# Altium PCB MiniPC.PcbDoc (part 14 of 22) (continued)
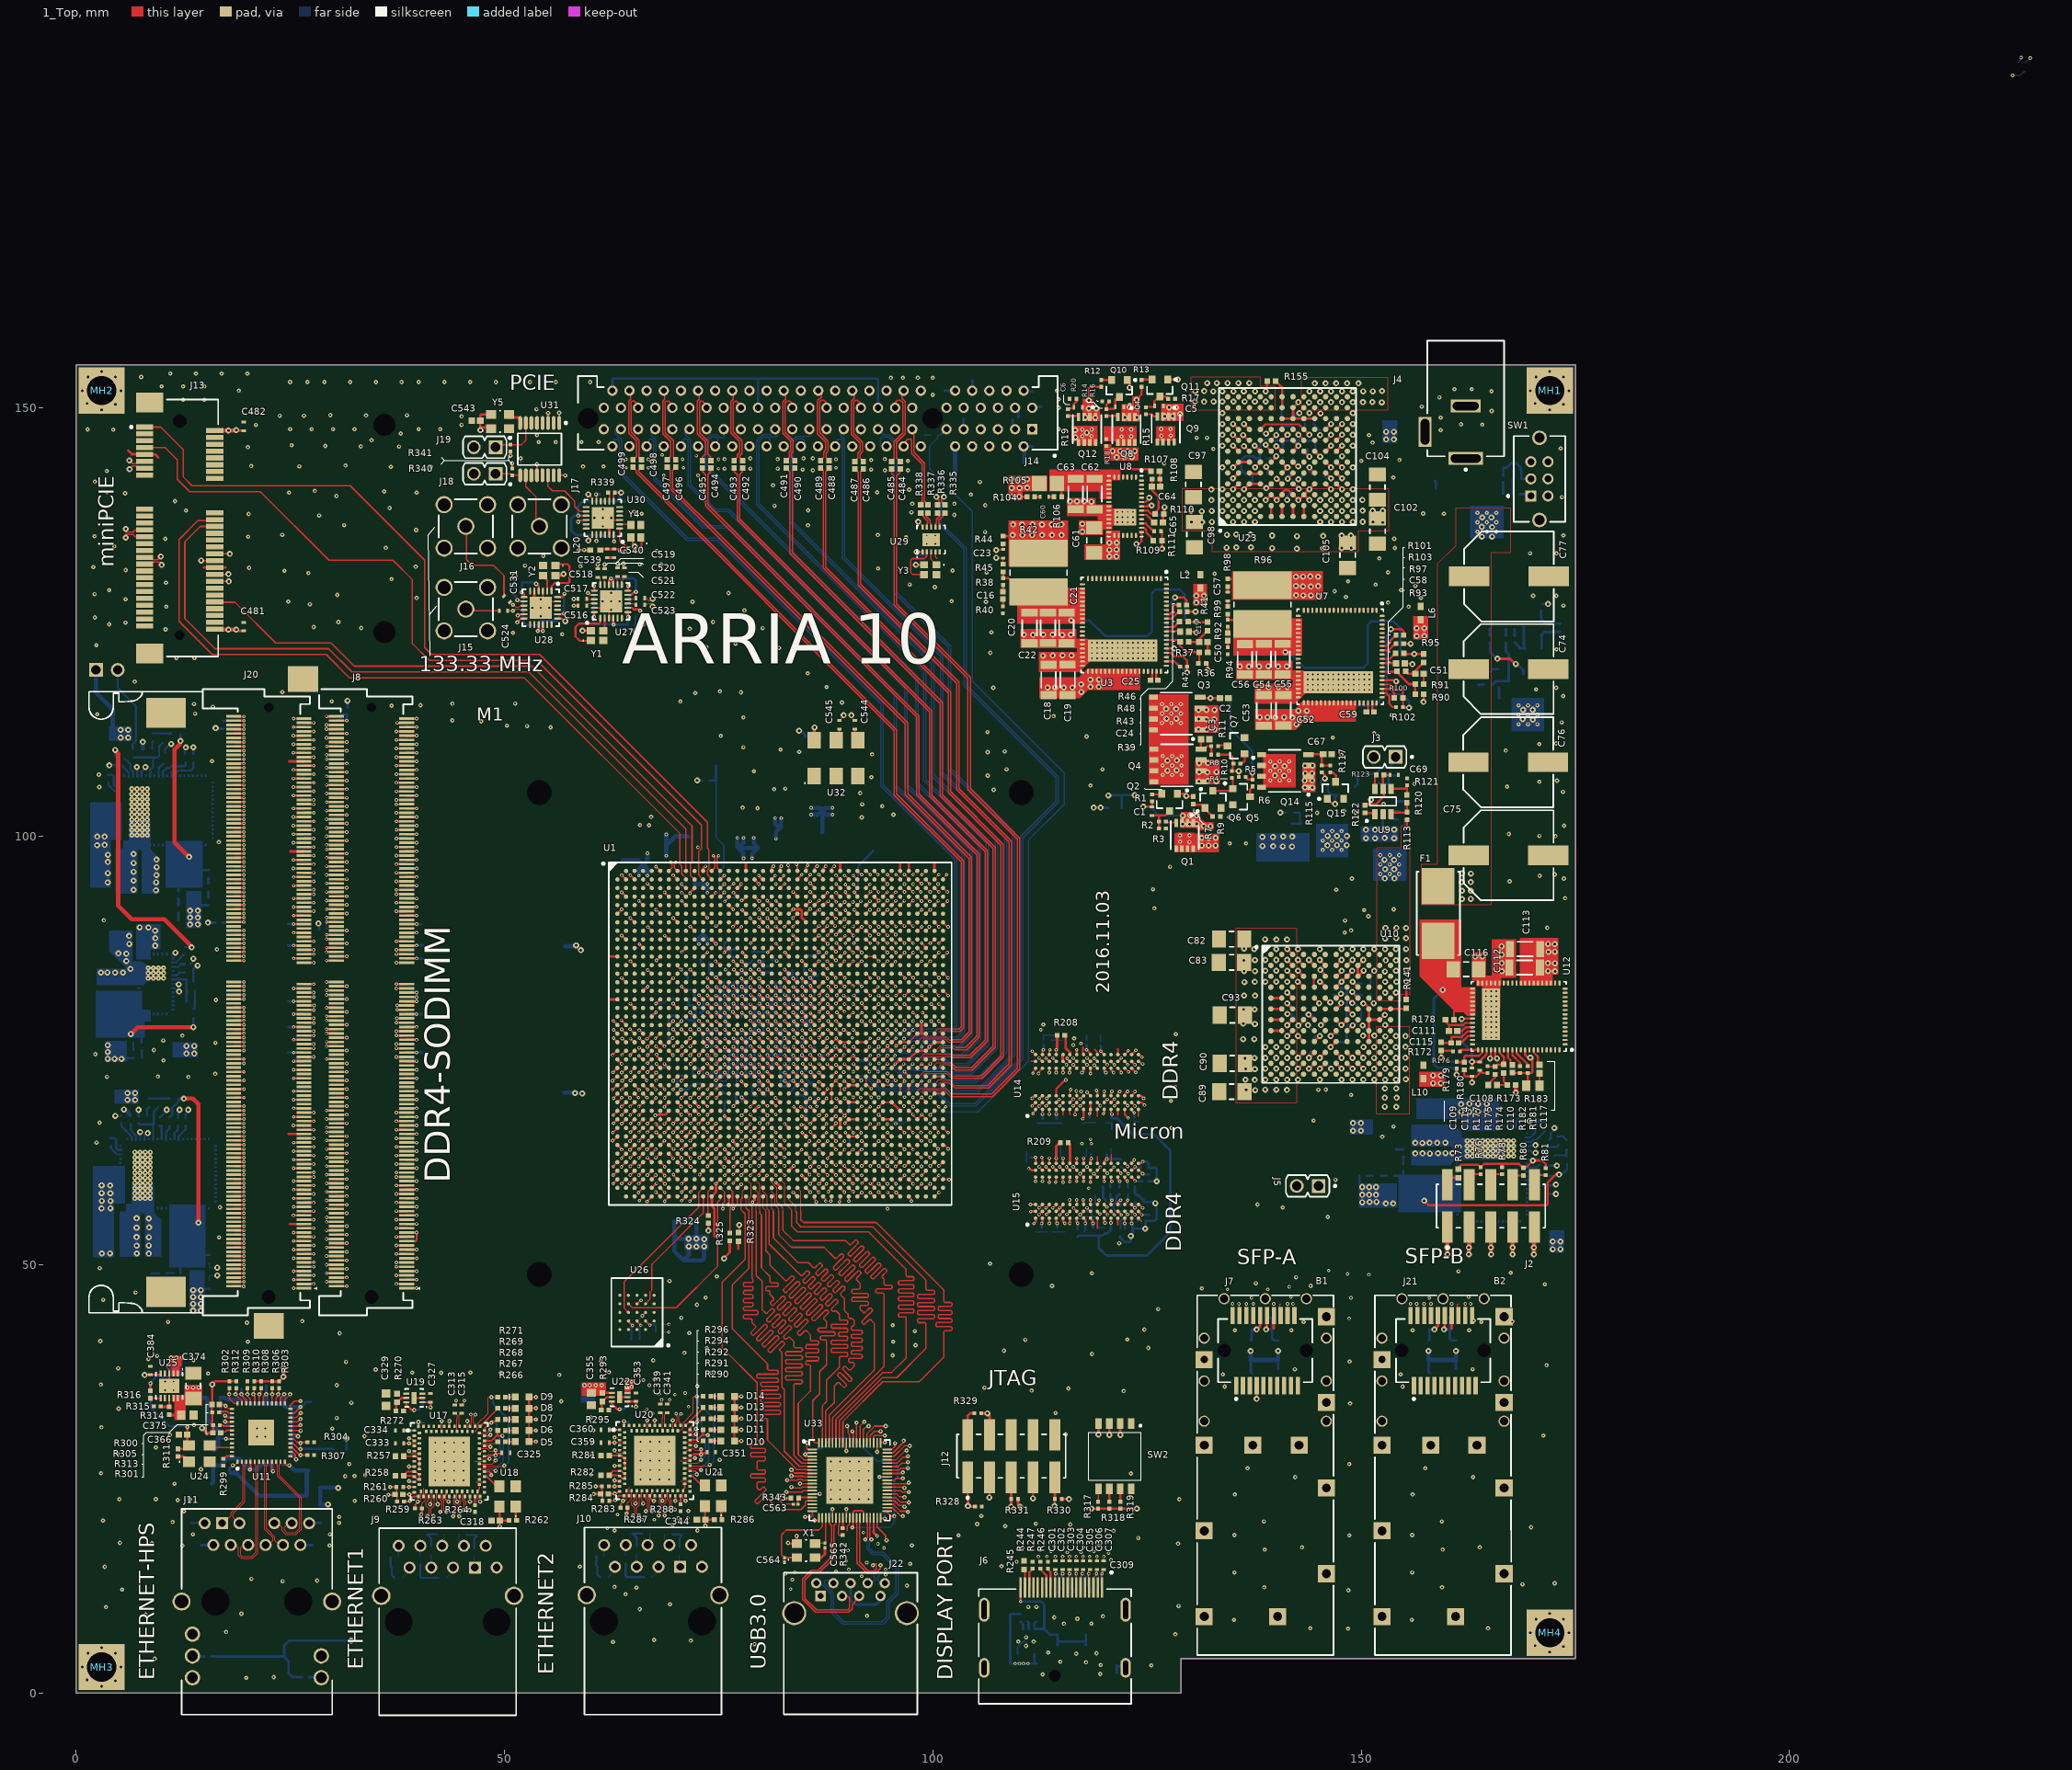
[diagram p0: 1_Top view]
## Nets (pads, with @x,y where several pads share a name; then routed paths per layer and width w, separated by ;. In a path a pad name is that pad's centre, name@x,y a point inside that pad or via, vN(x,y) a via of type N, cw(c..) or ccw(c..) an arc to the next point about the centre after c; other vN are vias at no path point) (continued)
  12_int11_(sign) w0.13: v1(19.602,109.475) 19.727,109.35 21.5,109.35 22,108.85 28.136,108.85 28.636,109.35 29.125,109.35 v1(29.25,109.475)
DDR4_SODIMM_ODT0: J8.155 U1.AK12 | length 78.5
  1_Top w0.25: v1(37.398,87.725) J8.155@38.6,87.725 ; v1(73.725,66.47) U1.AK12@74.194,66.939
  10_int9_(sign) w0.15: v1(37.398,87.725) 39.95,87.725 40.55,88.325 40.55,89.625 41.26,90.335 41.26,93.81 41.86,94.41 42.375,94.41 42.525,94.56 42.525,95.547 42.675,95.697 42.975,95.697 43.125,95.547 43.125,94.56 43.275,94.41 43.575,94.41 43.725,94.56 43.725,95.547 43.875,95.697 44.175,95.697 44.325,95.547 44.325,94.56 44.475,94.41 44.775,94.41 44.925,94.56 44.925,95.547 45.075,95.697 45.375,95.697 45.525,95.547 45.525,94.56 45.675,94.41 45.975,94.41 46.125,94.56 46.125,95.547 46.275,95.697 46.575,95.697 46.725,95.547 46.725,94.56 46.875,94.41 47.175,94.41 47.325,94.56 47.325,95.547 47.475,95.697 47.775,95.697 47.925,95.547 47.925,94.56 48.075,94.41 48.375,94.41 48.525,94.56 48.525,95.547 48.675,95.697 48.975,95.697 49.125,95.547 49.125,94.56 49.275,94.41 49.575,94.41 49.725,94.56 49.725,95.547 49.875,95.697 50.175,95.697 50.325,95.547 50.325,94.56 50.475,94.41 50.775,94.41 50.925,94.56 50.925,95.547 51.028,95.65 51.422,95.65 51.525,95.547 51.525,94.56 51.675,94.41 52.99,94.41 59.425,87.975 59.85,87.975 63.275,84.55 64.07,84.55 66.57,82.05 66.625,82.05 70.28,78.395 70.28,78.245 70.499,78.025 70.63,78.025 71.319,77.336 71.319,77.284 71.539,77.064 71.611,77.064 73.3,75.375 73.3,75.295 73.52,75.075 73.6,75.075 74.054,74.621 74.054,70.631 74.08,70.605 74.08,70.295 74.079,70.294 74.079,67.294 73.725,66.94 v1(73.725,66.47)
DDR4_SODIMM_ODT1: J20.155 U1.AR12 | length 90.5
  1_Top w0.25: J20.155@26.6,87.725 v1(27.75,87.725) ; v1(73.694,61.439) U1.AR12@74.194,61.939
  10_int9_(sign) w0.15: v1(27.75,87.725) 28.575,87.725 28.825,87.475 30.7,87.475 31.125,87.05 34.5,87.05 34.725,87.275 34.975,87.275 35.2,87.05 36.45,87.05 36.55,87.15 38.7,87.15 39,86.85 39.975,86.85 41.06,87.935 41.06,89.31 41.77,90.02 41.77,92.855 42.34,93.425 42.725,93.425 43.15,93 43.15,92.754 43.3,92.604 43.6,92.604 43.75,92.754 43.75,93.831 43.9,93.981 44.2,93.981 44.35,93.831 44.35,92.754 44.5,92.604 44.8,92.604 44.95,92.754 44.95,93.831 45.1,93.981 45.4,93.981 45.55,93.831 45.55,92.754 45.7,92.604 46,92.604 46.15,92.754 46.15,93.831 46.3,93.981 46.6,93.981 46.75,93.831 46.75,92.754 46.9,92.604 47.2,92.604 47.35,92.754 47.35,93.831 47.5,93.981 47.8,93.981 47.95,93.831 47.95,92.754 48.1,92.604 48.4,92.604 48.55,92.754 48.55,93.831 48.7,93.981 49,93.981 49.15,93.831 49.15,92.754 49.3,92.604 49.6,92.604 49.75,92.754 49.75,93.831 49.9,93.981 50.2,93.981 50.35,93.831 50.35,92.754 50.5,92.604 50.8,92.604 50.95,92.754 50.95,93 51.1,93.15 53.501,93.15 59.612,87.039 59.722,87.039 60.722,86.039 60.761,86.039 62.76,84.04 63.624,84.04 64.069,83.595 64.069,83.534 67.789,79.814 67.849,79.814 68.069,79.595 68.069,79.506 69.65,77.925 69.739,77.925 70.069,77.595 70.069,77.505 71.524,76.05 71.625,76.05 73.304,74.371 73.304,74.298 73.325,74.277 73.325,73.63 73.304,73.609 73.304,73.298 73.575,73.027 73.575,72.73 73.304,72.459 73.304,72.148 73.325,72.127 73.325,72.025 73.575,71.775 73.575,71.375 73.325,71.125 73.325,70.601 73.319,70.595 73.319,70.284 73.329,70.274 73.329,69.298 73.575,69.052 73.575,68.855 73.329,68.609 73.329,68.296 73.55,68.075 73.55,67.83 73.325,67.605 73.325,66.225 73.5,66.05 73.5,65.797 73.308,65.605 73.308,62.292 73.694,61.906 v1(73.694,61.439)
DDR4_SODIMM_PARITY: J8.143 J20.143 U1.AP9 | length 88.4
  1_Top w0.25: J20.143@26.6,82.725 v1(27.75,82.725) ; v1(37.398,82.725) J8.143@38.6,82.725 ; U1.AP9@71.194,62.939 v1(71.725,62.408)
  7_int6_(sign) w0.15: v1(27.75,82.725) 28.45,83.425 32.375,83.425 33.075,82.725 34.875,82.725 35.025,82.875 35.025,83 35.175,83.15 35.475,83.15 35.625,83 35.625,82.375 35.775,82.225 36.075,82.225 36.225,82.375 36.225,82.575 36.375,82.725 v1(37.398,82.725)
  10_int9_(sign) w0.15: v1(37.398,82.725) 40.2,82.725 40.55,83.075 43.475,83.075 43.625,83.225 43.625,83.912 43.775,84.062 44.075,84.062 44.225,83.912 44.225,82.678 44.375,82.528 44.675,82.528 44.825,82.678 44.825,83.912 44.975,84.062 45.275,84.062 45.425,83.912 45.425,82.678 45.575,82.528 45.875,82.528 46.025,82.678 46.025,83.912 46.175,84.062 46.475,84.062 46.625,83.912 46.625,82.678 46.775,82.528 47.075,82.528 47.225,82.678 47.225,83.912 47.375,84.062 47.675,84.062 47.825,83.912 47.825,82.538 47.975,82.388 48.275,82.388 48.425,82.538 48.425,83.912 48.575,84.062 48.875,84.062 49.025,83.912 49.025,83.225 49.175,83.075 49.475,83.075 49.625,83.225 49.625,83.912 49.775,84.062 50.075,84.062 50.225,83.912 50.225,83.067 50.375,82.917 50.675,82.917 50.825,83.067 50.825,83.912 50.975,84.062 51.275,84.062 51.425,83.912 51.425,82.538 51.575,82.388 51.875,82.388 52.025,82.538 52.025,83.912 52.175,84.062 52.475,84.062 52.625,83.912 52.625,82.538 52.775,82.388 53.075,82.388 53.225,82.538 53.225,83.912 53.375,84.062 53.675,84.062 53.825,83.912 53.825,82.538 53.975,82.388 54.275,82.388 54.425,82.538 54.425,83.912 54.575,84.062 54.875,84.062 55.025,83.912 55.025,83.225 55.175,83.075 55.775,83.075 57.725,81.125 61.525,81.125 63.775,78.875 63.805,78.875 65.025,77.655 65.025,77.52 65.57,76.975 65.73,76.975 66.275,76.43 66.275,76.195 66.495,75.975 66.655,75.975 67.325,75.305 67.325,75.295 67.545,75.075 67.737,75.075 69.925,72.887 69.925,72.875 71.069,71.731 71.069,71.284 71.025,71.24 71.025,67.63 71.05,67.605 71.05,65.608 71.052,65.605 71.052,65.295 71.05,65.292 71.05,64.63 71.1,64.58 71.1,64.27 71.052,64.222 71.052,63.081 v1(71.725,62.408)
DDR4_SODIMM_RESET_CONN: J8.108 J20.108 U1.AW10 | length 80.9
  1_Top w0.25: J20.108@18.4,73.975 v1(19.602,73.975) ; v1(29.25,73.975) J8.108@30.4,73.975 ; v1(71.65,57.4) 71.655,57.4 U1.AW10@72.194,57.939
  10_int9_(sign) w0.15: v1(19.602,73.975) 20.125,73.975 20.775,73.325 28.25,73.325 28.9,73.975 v1(29.25,73.975) 31.65,73.975 32.2,73.425 32.2,69.675 35.65,66.225 38.8,66.225 39.325,65.7 40.438,65.7 40.688,65.45 40.688,55.988 42.425,54.25 46.425,54.25 46.575,54.1 46.575,53.222 46.725,53.072 47.025,53.072 47.175,53.222 47.175,54.1 47.325,54.25 47.625,54.25 47.775,54.1 47.775,53.222 47.925,53.072 48.225,53.072 48.375,53.222 48.375,54.1 48.525,54.25 48.825,54.25 48.975,54.1 48.975,53.222 49.125,53.072 49.425,53.072 49.575,53.222 49.575,54.1 49.725,54.25 50.025,54.25 50.175,54.1 50.175,53.222 50.325,53.072 50.625,53.072 50.775,53.222 50.775,54.1 50.925,54.25 68.5,54.25 v1(71.65,57.4)
DDR4_SODIMM_SA0: J8.256 J20.256 U1.AN12 | length 88.6
  1_Top w0.25: J20.256@18.4,112.975 v1(19.602,112.975) ; v1(29.225,112.975) J8.256@30.4,112.975 ; v1(73.694,63.439) U1.AN12@74.194,63.939
  10_int9_(sign) w0.15: v1(19.602,112.975) 20.72,112.975 21.045,113.3 25.875,113.3 26.25,113.675 28.05,113.675 28.75,112.975 v1(29.225,112.975) 33.95,112.975 36.225,110.7 39.05,110.7 39.5,110.25 40.9,110.25 51.15,100 51.837,100 59.069,92.768 59.069,92.501 63.545,88.025 63.639,88.025 72.855,78.808 72.855,78.8 73.075,78.58 73.075,78.528 73.789,77.814 73.849,77.814 74.069,77.595 74.069,77.431 74.725,76.775 74.855,76.775 75.329,76.302 75.329,75.12 75.325,75.116 75.325,74.701 75.333,74.692 75.333,74.464 75.304,74.434 75.304,74.123 75.333,74.094 75.333,73.983 75.304,73.954 75.304,73.764 75.328,73.74 75.328,73.533 75.304,73.509 75.304,73.198 75.329,73.173 75.329,70.688 ; v1(73.694,63.439) 73.694,63.909 74.125,64.34 74.125,64.958 74.35,65.183 74.35,65.75 74.529,65.929 74.729,65.929 75.325,66.525 75.325,67.152 75.304,67.173 75.304,67.484 75.325,67.505 75.325,68.1 75.33,68.105 75.33,70.687
DDR4_SODIMM_SA1: J8.260 J20.260 U1.AL13 | length 90.4
  1_Top w0.25: J20.260@18.4,113.975 v1(19.602,113.975) ; v1(29.25,113.975) J8.260@30.4,113.975 ; v1(74.73,65.475) U1.AL13@75.194,65.939
  10_int9_(sign) w0.15: v1(19.602,113.975) 23.05,113.975 23.375,114.3 28.225,114.3 28.55,113.975 v1(29.25,113.975) 33.9,113.975 36.2,111.675 38.725,111.675 39.175,111.225 41.175,111.225 41.662,110.738 42.138,110.738 42.5,110.375 42.5,109.9 42.7,109.7 43.15,109.7 43.425,109.425 43.425,108.925 43.7,108.65 44.225,108.65 44.5,108.375 44.5,107.9 51.615,100.785 51.845,100.785 64.075,88.555 64.075,88.528 72.55,80.053 72.889,80.053 73.35,79.592 73.35,79.295 73.57,79.075 73.867,79.075 74.35,78.592 74.35,78.22 74.57,78 74.942,78 75.35,77.592 75.35,77.245 75.57,77.025 75.917,77.025 76.075,76.867 76.075,76.555 76.1,76.53 76.1,76.195 75.88,75.975 75.88,75.82 76.079,75.621 76.079,75.198 75.825,74.945 75.825,74.7 76.075,74.45 76.075,72.605 76.079,72.602 76.079,72.248 75.85,72.02 75.85,70.65 76.175,70.325 76.175,70.075 75.9,69.8 75.85,69.8 75.85,67.7 76.075,67.475 76.075,67.025 75.775,66.725 75.775,66.075 75.863,65.987 75.863,65.812 75.825,65.775 75.825,65.575 75.375,65.125 75.079,65.125 v1(74.73,65.475)
DDR4_SODIMM_SA2: J8.166 J20.166 U1.AM12 | length 90.7
  1_Top w0.25: J20.166@18.4,90.475 v1(19.602,90.475) ; v1(29.251,90.479) 30.396,90.479 J8.166@30.4,90.475 ; v1(73.75,64.495) U1.AM12@74.194,64.939
  10_int9_(sign) w0.15: v1(19.602,90.475) 20.5,90.475 20.8,90.175 25.8,90.175 26.104,90.479 v1(29.251,90.479) 38.696,90.479 38.875,90.3 40.375,90.3 40.75,90.675 40.75,95.8 41.475,96.525 41.9,96.525 42.05,96.675 42.05,97.606 42.2,97.756 42.5,97.756 42.65,97.606 42.65,96.501 42.8,96.351 43.1,96.351 43.25,96.501 43.25,97.606 43.4,97.756 43.7,97.756 43.85,97.606 43.85,96.501 44,96.351 44.3,96.351 44.45,96.501 44.45,97.606 44.6,97.756 44.9,97.756 45.05,97.606 45.05,96.675 45.2,96.525 52.983,96.525 66.708,82.8 66.88,82.8 67.1,82.58 67.1,82.45 69.65,79.9 69.764,79.9 72.319,77.345 72.319,77.233 73.548,76.004 73.652,76.004 74.05,75.605 74.05,75.552 74.33,75.272 74.33,74.925 74.304,74.899 74.304,71.323 74.33,71.297 74.33,69.61 ; v1(73.75,64.495) 73.75,64.936 74.1,65.286 74.1,66.675 74.329,66.904 74.329,69.609
DDR4_SODIMM_SCL: J8.253 J20.253 U1.AN13 | length 89.8
  1_Top w0.25: J20.253@26.6,112.225 v1(27.75,112.225) ; v1(37.398,112.225) J8.253@38.6,112.225 ; v1(74.694,63.439) U1.AN13@75.194,63.939
  7_int6_(sign) w0.15: v1(27.75,112.225) 27.9,112.075 29.525,112.075 29.85,112.4 32.175,112.4 32.375,112.2 34.85,112.2 35,112.35 35,112.575 35.15,112.725 35.45,112.725 35.6,112.575 35.6,111.85 35.75,111.7 36.05,111.7 36.2,111.85 36.2,112.05 36.35,112.2 37.32,112.2 37.345,112.225 v1(37.398,112.225)
  10_int9_(sign) w0.15: v1(37.398,112.225) 41.675,112.225 45.906,107.994 46.118,107.994 46.326,108.201 46.538,108.201 46.75,107.989 46.75,107.777 46.436,107.464 46.155,107.183 46.155,106.97 46.367,106.758 46.58,106.758 46.861,107.039 47.174,107.353 47.386,107.353 47.599,107.141 47.599,106.929 47.285,106.615 47.004,106.334 47.004,106.122 47.216,105.91 47.428,105.91 47.709,106.191 48.023,106.504 48.235,106.504 48.447,106.292 48.447,106.08 48.133,105.767 47.852,105.486 47.852,105.273 48.065,105.061 48.277,105.061 48.452,105.236 48.664,105.236 52.125,101.775 52.125,101.539 65.889,87.775 65.996,87.775 71.069,82.702 71.069,82.534 72.539,81.064 72.599,81.064 73.3,80.364 73.3,80.27 73.52,80.05 73.655,80.05 74.329,79.377 74.329,79.274 74.552,79.05 74.614,79.05 75.4,78.264 75.4,78.22 75.62,78 75.664,78 76.325,77.339 76.325,77.125 76.55,76.9 76.55,76.755 76.35,76.555 76.35,75.066 76.325,75.041 76.325,74.295 76.55,74.07 76.55,73.875 76.325,73.65 76.325,73.295 76.525,73.095 76.525,72.755 76.329,72.559 76.329,72.248 76.525,72.052 76.525,71.225 76.325,71.025 76.325,70.8 76.525,70.6 76.525,69.825 76.325,69.625 76.325,69.275 76.514,69.086 76.514,68.861 76.325,68.672 76.325,67.9 76.55,67.675 76.55,66.825 76.375,66.65 76.375,66.05 76.55,65.875 76.55,65.296 v1(74.694,63.439)
DDR4_SODIMM_SDA: J8.254 J20.254 U1.AL12 | length 90.8
  1_Top w0.25: J20.254@18.4,112.475 v1(19.602,112.475) ; v1(29.225,112.475) J8.254@30.4,112.475 ; U1.AL12@74.194,65.939 v1(74.694,66.439)
  10_int9_(sign) w0.15: v1(19.602,112.475) 20.15,112.475 20.375,112.25 25.825,112.25 26.325,112.75 28.15,112.75 28.425,112.475 v1(29.225,112.475) 33.425,112.475 36.2,109.7 38.975,109.7 39.425,109.25 40.975,109.25 41.7,108.525 41.903,108.525 42.124,108.305 42.124,108.101 41.471,107.449 41.471,107.236 41.684,107.024 41.896,107.024 42.548,107.677 42.752,107.677 42.972,107.456 42.972,107.253 42.32,106.6 42.32,106.388 42.532,106.176 42.744,106.176 43.397,106.828 43.6,106.828 43.821,106.608 43.821,106.404 43.168,105.752 43.168,105.632 43.473,105.327 43.593,105.327 44.139,105.874 44.351,105.874 50.735,99.49 51.14,99.49 66.354,84.276 66.354,84.22 69.759,80.814 69.849,80.814 71.319,79.345 71.319,79.284 71.539,79.064 71.599,79.064 72.325,78.339 72.325,78.27 72.545,78.05 72.614,78.05 73.069,77.595 73.069,77.501 73.816,76.754 73.859,76.754 74.15,76.463 74.15,76.42 74.545,76.025 74.638,76.025 75.079,75.584 75.079,75.223 75.075,75.22 75.075,74.589 75.083,74.58 75.083,74.567 75.054,74.538 75.054,74.129 74.825,73.9 74.825,73.889 75.078,73.637 75.054,73.612 75.054,73.095 75.075,73.073 75.075,72.275 74.875,72.075 74.875,71.875 75.075,71.675 75.075,71.225 74.875,71.025 74.875,70.788 75.08,70.584 75.08,70.273 ; v1(74.694,66.439) 75,66.745 75,66.895 74.825,67.071 74.825,67.525 75.075,67.775 75.075,68.375 74.825,68.625 74.825,68.975 75.079,69.229 75.079,70.272
DDR4_WEN: U1.N25 U14.L2 U15.L2 | length 85.5
  1_Top w0.25: U1.N25@87.194,83.939 87.7,83.433 v1(87.7,83.4) ; U15.L2@120,56.2 120.065,56.2 120.365,55.9 120.335,55.87 120.4,55.805 v1(120.4,55.78) ; U14.L2@120,68.9 120.372,69.272 v1(120.35,69.272)
  12_int11_(sign) w0.15: v1(87.7,83.4) 88.05,83.05 96.905,83.05 96.93,83.075 104.45,83.075 104.775,83.4 109.5,83.4 109.725,83.4 110.062,83.4 110.175,83.288 110.175,82.131 110.287,82.019 110.512,82.019 110.625,82.131 110.625,83.4 110.625,84.156 110.737,84.268 110.962,84.268 111.075,84.156 111.075,83.4 111.075,82.131 111.187,82.019 111.412,82.019 111.525,82.131 111.525,83.4 111.525,84.028 111.637,84.141 111.862,84.141 111.975,84.028 111.975,83.512 112.087,83.4 112.425,83.4 112.8,83.4 113.025,83.4 113.362,83.4 113.475,83.288 113.475,82.131 113.587,82.019 113.812,82.019 113.925,82.131 113.925,83.4 114.037,83.512 114.262,83.512 114.375,83.4 114.375,82.131 114.487,82.019 114.712,82.019 114.825,82.131 114.825,83.4 114.825,84.669 114.937,84.781 115.162,84.781 115.275,84.669 115.275,83.4 115.275,82.131 115.387,82.019 115.612,82.019 115.725,82.131 115.725,83.288 115.837,83.4 116.175,83.4 116.4,83.4 116.45,83.4 116.675,83.4 116.775,83.5 116.775,84.183 116.875,84.283 117.075,84.283 117.175,84.183 117.175,83.4 117.175,82.617 117.275,82.517 117.475,82.517 117.575,82.617 117.575,83.3 117.675,83.4 117.775,83.4 118.3,83.4 120.003,81.697 120.003,75.098 120.025,75.076 120.025,73.604 119.775,73.354 119.775,70.576 119.575,70.376 119.575,70.024 120.327,69.272 v1(120.35,69.272) 120.4,69.222 120.4,68.701 119.475,67.776 119.475,66.825 119.875,66.425 119.875,65.4 119.875,65.175 119.965,65.085 119.965,64.815 119.875,64.725 119.622,64.725 119.51,64.613 119.51,64.388 119.622,64.275 119.763,64.275 119.875,64.163 119.875,63.9 119.875,61.626 120,61.501 120,61 119.7,60.7 119.7,60.201 119.345,59.846 119.345,58.485 119.875,57.955 119.875,56.926 119.875,56.876 119.875,56.126 120.221,55.78 v1(120.4,55.78)
DP_3V3: C298.2 C299.2 C300.2 D3.8 D4.8 J6.20 U16.4 | length 17
  1_Top w0.3: v1(110.25,10.65) J6.20@110.25,12.29
  16_Bottom w0.3: v1(110.25,10.65) 112.65,10.65 113,10.3 113,7.45 ; C298.2@112.05,8.3 111.85,8.1 U16.4@111.85,7.45 113,7.45 ; D4.8@114.55,6.8 113.65,6.8 113,7.45 ; D4.8@114.575,6.8 114.575,5.975 ; C299.2@114.6,5.575 114.575,5.6 114.575,5.975 ; C300.2@117.85,5.55 117.875,5.575 117.875,5.9 ; D3.8@117.875,6.8 117.875,5.975 114.575,5.975
DP_ML_LANE0_C_N: C307.2 D3.3 J6.3 | length 4.8
  1_Top w0.1: J6.3@118.75,12.29 118.75,13.44 119.1,13.79 v1(119.1,13.89) 119.15,13.94 C307.2@119.15,14.4
  16_Bottom w0.1: v1(119.1,13.89) 119.39,13.6 119.39,12.373 119.175,12.158 D3.3@119.175,11.6
DP_ML_LANE0_C_P: C309.2 D3.4 J6.1 | length 4.6
  1_Top w0.1: J6.1@119.75,12.29 v1(119.75,13.9) 119.75,13.99 119.95,14.19 C309.2@119.95,14.4
  16_Bottom w0.1: v1(119.75,13.9) 119.61,13.76 119.61,12.373 119.825,12.158 D3.4@119.825,11.6
DP_ML_LANE0_N: C307.1 U1.B34 | length 130.4
  1_Top w0.1: v1(95.7,95.5) 95.8,95.5 96.194,95.106 U1.B34@96.194,94.939 ; C307.1@119.15,15.4 v1(119.15,15.9) v1@119.15,16.05
  10_int9_(sign) w0.09: v1(95.7,95.5) 95.875,95.5 96.1,95.275 96.1,95.025 95.9,94.825 95.425,94.825 95.3,94.95 95.3,96.725 96.91,98.335 124.076,98.335 126.786,95.625 132.525,95.625 133.25,94.9 133.25,53.664 129.86,50.274 129.86,25.899 124.376,20.415 123.416,20.415 119.46,16.459 119.46,16.1 119.26,15.9 v1(119.15,15.9)
DP_ML_LANE0_P: C309.1 U1.B35 | length 131.9
  1_Top w0.1: v1(96.7,95.5) 96.7,95.488 97.194,94.994 U1.B35@97.194,94.939 ; C309.1@119.95,15.4 v1(119.95,15.9) v1@119.95,16.05
  10_int9_(sign) w0.09: v1(96.7,95.5) 96.565,95.5 96.34,95.275 96.34,94.926 95.999,94.585 95.326,94.585 95.06,94.851 95.06,96.824 96.811,98.575 124.175,98.575 126.885,95.865 132.624,95.865 133.49,94.999 133.49,53.565 130.1,50.175 130.1,25.8 124.475,20.175 123.515,20.175 119.7,16.36 119.7,16.1 119.9,15.9 v1(119.95,15.9)
DP_ML_LANE1_C_N: C305.2 D3.1 J6.6 | length 4.9
  1_Top w0.1: J6.6@117.25,12.29 117.25,13.54 117.55,13.84 117.49,13.9 v1(117.445,13.9) 117.445,14.295 C305.2@117.55,14.4
  16_Bottom w0.1: v1(117.445,13.9) 117.5,13.9 117.875,13.525 D3.1@117.875,11.6
DP_ML_LANE1_C_P: C306.2 D3.2 J6.4 | length 4.8
  1_Top w0.1: J6.4@118.25,12.29 118.2,12.34 v1(118.2,13.9) 118.2,14.35 118.25,14.4 C306.2@118.35,14.4
  16_Bottom w0.1: v1(118.2,13.9) 118.1,13.8 118.1,12.4 118.525,11.975 D3.2@118.525,11.6
DP_ML_LANE1_N: C305.1 U1.A36 | length 118.3
  1_Top w0.1: v1(97.7,95.5) 98.139,95.939 U1.A36@98.194,95.939 ; C305.1@117.55,15.4 v1(117.55,15.9) v1@117.55,16.05
  10_int9_(sign) w0.09: v1(97.7,95.5) 97.955,95.5 98.08,95.375 98.08,95.126 98.308,94.897 99.437,94.897 101.624,97.085 123.326,97.085 131.08,89.33 131.08,54.57 129.06,52.549 129.06,27.899 117.86,16.699 117.86,16.21 v1(117.55,15.9)
DP_ML_LANE1_P: C306.1 U1.A37 | length 118.2
  1_Top w0.1: v1(98.7,95.5) 98.755,95.5 U1.A37@99.194,95.939 ; C306.1@118.35,15.4 v1@118.35,16
  10_int9_(sign) w0.09: v1(98.7,95.5) 98.445,95.5 98.32,95.375 98.32,95.225 98.408,95.137 99.338,95.137 101.525,97.325 123.425,97.325 131.32,89.43 131.32,54.47 129.3,52.45 129.3,27.8 118.1,16.6 118.1,16.1 v1(118.3,15.9)
DP_ML_LANE2_C_N: C303.2 D4.3 J6.9 | length 4.6
  1_Top w0.1: J6.9@115.75,12.29 115.75,13.44 115.95,13.64 v1(115.95,13.9) C303.2@115.95,14.4
  16_Bottom w0.1: D4.3@115.875,11.6 115.875,11.975 116.09,12.19 116.09,13.76 v1(115.95,13.9)
DP_ML_LANE2_C_P: C304.2 D4.4 J6.7 | length 4.8
  1_Top w0.1: J6.7@116.75,12.29 116.75,13.54 v1(116.75,13.9) C304.2@116.75,14.4
  16_Bottom w0.1: D4.4@116.525,11.6 116.525,11.975 116.31,12.19 116.31,13.71 116.5,13.9 v1(116.75,13.9)
DP_ML_LANE2_N: C303.1 U1.B38 | length 112.2
  1_Top w0.1: U1.B38@100.194,94.939 100.194,94.994 v1(100.7,95.5) ; C303.1@115.95,15.4 v1(115.95,15.9) v1@115.95,16.05
  10_int9_(sign) w0.09: v1(100.7,95.5) 100.83,95.5 101.03,95.3 101.03,94.995 101.265,94.76 123.676,94.76 130.08,88.355 130.08,56.495 128.26,54.674 128.26,28.659 116.26,16.659 116.26,16.21 v1(115.95,15.9)
DP_ML_LANE2_P: C304.1 U1.B39 | length 112.2
  1_Top w0.1: U1.B39@101.194,94.939 101.194,95.094 v1(101.6,95.5) ; C304.1@116.75,15.4 v1(116.75,15.9) v1@116.75,16.05
  10_int9_(sign) w0.09: v1(101.6,95.5) 101.47,95.5 101.27,95.3 101.27,95.094 101.364,95 123.775,95 130.32,88.455 130.32,56.395 128.5,54.575 128.5,28.56 116.5,16.56 116.5,16.15 v1(116.75,15.9)
DP_ML_LANE3_C_N: C301.2 D4.1 J6.12 | length 4.8
  1_Top w0.1: J6.12@114.25,12.29 114.25,13.8 v1(114.35,13.9) C301.2@114.35,14.4
  16_Bottom w0.1: v1(114.35,13.9) 114.6,13.9 114.7,13.8 114.7,12.1 114.575,11.975 D4.1@114.575,11.6
DP_ML_LANE3_C_P: C302.2 D4.2 J6.10 | length 4.8
  1_Top w0.1: C302.2@115.15,14.4 v1(115.15,13.9) 115.15,13.45 115.25,13.35 J6.10@115.25,12.29
  16_Bottom w0.1: v1(115.15,13.9) 115,13.9 114.92,13.82 114.92,12.28 115.225,11.975 D4.2@115.225,11.6
DP_ML_LANE3_N: C301.1 U1.C36 | length 112.1
  1_Top w0.1: U1.C36@98.194,93.906 U1.C36@98.194,93.939 98.6,93.533 v1(98.6,93.5) ; C301.1@114.3,15.4 v1(114.3,15.9) v1@114.3,16
  10_int9_(sign) w0.09: v1(98.6,93.5) 98.9,93.5 99.03,93.37 99.03,93.07 99.3,92.8 123.461,92.8 129.1,87.161 129.1,58.264 127.36,56.524 127.36,29.06 114.66,16.36 114.66,16.1 114.46,15.9 v1(114.3,15.9) v1@114.3,16
DP_ML_LANE3_P: C302.1 U1.C37 | length 112
  1_Top w0.1: U1.C37@99.194,93.939 99.633,93.5 v1(99.7,93.5) ; C302.1@115.15,15.4 v1(115.15,15.9) v1@115.15,16.05
  10_int9_(sign) w0.09: v1(99.7,93.5) 99.4,93.5 99.27,93.37 99.27,93.17 99.399,93.04 123.56,93.04 129.34,87.26 129.34,58.165 127.6,56.425 127.6,28.961 114.9,16.261 114.9,16.1 115.1,15.9 v1(115.15,15.9)
ENET_HPS_GTX_CLK: U1.H18 U11.24 | length 160.7
  1_Top w0.15: v1(79.694,89.439) U1.H18@80.194,88.939
  1_Top w0.17: U11.24@25.012,33.125 25.012,33.562 25.5,34.05 v2@26.1,34.05
  7_int6_(sign) w0.1: v2(26.2,34.05) 26.375,34.225 26.375,37.8 24.75,39.425 24.75,41.713 24.887,41.85 25.483,41.85 25.62,41.988 25.62,42.263 25.483,42.4 24.887,42.4 24.75,42.538 24.75,42.813 24.887,42.95 25.483,42.95 25.62,43.088 25.62,43.363 25.483,43.5 24.887,43.5 24.75,43.638 24.75,114.691 27.209,117.15 57.1,117.15 72.979,101.271 72.979,97.979 72.175,97.175 72.175,92.696 75.821,89.05 79.238,89.05 79.694,89.506 v1(79.694,89.439)
ENET_HPS_MDC: R302.1 U1.G19 U11.36 | length 169.7
  1_Top w0.15: v1(80.694,90.439) U1.G19@81.194,89.939
  1_Top w0.17: R302.1@17.9,35.55 v2(17.9,34.85) 17.9,34.325 18.45,33.775 U11.36@18.862,33.775
  7_int6_(sign) w0.1: v2(17.9,34.85) 17.7,35.05 17.7,36.996 18.162,37.458 18.161,37.652 17.498,38.316 17.498,38.511 17.692,38.705 17.886,38.705 18.55,38.041 18.745,38.041 18.939,38.236 18.939,38.43 18.275,39.094 18.275,39.289 18.47,39.483 18.664,39.483 19.328,38.819 19.523,38.819 19.717,39.014 19.717,39.208 19.053,39.872 19.053,40.066 19.248,40.261 19.442,40.261 20.106,39.597 20.3,39.597 21,40.296 21,115.275 24.255,118.53 58.246,118.53 75.4,101.376 75.4,96.1 75.2,95.9 75.2,92.1 76.325,90.975 80.158,90.975 v1(80.694,90.439)
ENET_HPS_MDIO: R300.1 U1.F18 U11.37 | length 168.7
  1_Top w0.15: v1(79.694,91.439) U1.F18@80.194,90.939
  1_Top w0.17: R300.1@16.75,33.65 17.302,33.65 v2(17.461,33.49) 17.827,33.125 U11.37@18.212,33.125
  7_int6_(sign) w0.1: v2(17.461,33.49) 16.525,34.427 16.525,38.7 16.947,39.122 16.947,39.317 16.215,40.049 16.215,40.244 16.409,40.438 16.604,40.438 17.433,39.608 17.539,39.502 17.734,39.502 17.928,39.697 17.928,39.891 16.992,40.827 16.992,41.022 17.187,41.216 17.381,41.216 18.114,40.483 18.308,40.483 20.525,42.7 20.525,115.475 24.04,118.99 58.761,118.99 76.21,101.541 76.21,92.923 77.233,91.9 79.233,91.9 v1(79.694,91.439)
ENET_HPS_RX_CLK: R312.2 U1.G17 U11.35 | length 168.4
  1_Top w0.15: v1(78.694,90.439) U1.G17@79.194,89.939
  1_Top w0.17: R312.2@18.7,35.55 18.7,34.95 v2(18.6,34.85) 19.362,34.088 U11.35@19.362,33.775
  7_int6_(sign) w0.1: v2(18.6,34.85) 18.425,35.025 18.425,36.525 18.925,37.025 18.925,37.112 18.793,37.244 18.793,37.439 18.987,37.633 19.182,37.633 19.358,37.458 19.385,37.43 19.58,37.43 19.774,37.624 19.774,37.819 19.571,38.022 19.571,38.217 19.765,38.411 19.96,38.411 20.135,38.235 20.163,38.208 20.357,38.208 20.552,38.402 20.552,38.597 20.524,38.624 20.349,38.8 20.349,38.995 20.543,39.189 20.737,39.189 20.913,39.013 20.941,38.986 21.135,38.986 21.33,39.18 21.33,39.375 21.302,39.402 21.126,39.578 21.126,39.772 21.321,39.967 21.515,39.967 21.691,39.791 21.719,39.763 21.913,39.763 22.107,39.958 22.107,40.152 22.08,40.18 21.46,40.8 21.46,40.994 21.654,41.189 21.849,41.189 22.372,40.666 22.566,40.666 22.761,40.861 22.761,41.055 21.976,41.84 21.976,42.034 22.17,42.229 22.365,42.229 23.149,41.444 23.344,41.444 23.83,41.93 23.83,43.188 23.693,43.325 22.583,43.325 22.445,43.463 22.445,43.738 22.583,43.875 23.693,43.875 23.83,44.013 23.83,115.431 26.469,118.07 57.681,118.07 73.899,101.852 73.899,96.766 74.15,96.514 74.15,92.3 76.011,90.439 v1(78.694,90.439)
ENET_HPS_RX_DV: R309.1 U1.H19 U11.33 | length 161.8
  1_Top w0.15: v1(80.694,89.439) U1.H19@81.194,88.939
  1_Top w0.17: R309.1@20,35.55 v2(20,34.85) 20,34.625 20.362,34.263 U11.33@20.362,33.775
  7_int6_(sign) w0.1: v2(20,34.85) 19.9,34.95 19.9,37.1 22.713,39.913 22.713,39.968 ; 22.714,39.966 22.726,39.955 ; 22.727,39.953 22.727,40.148 22.921,40.342 23.116,40.342 23.129,40.329 23.887,39.571 24.081,39.571 24.276,39.766 24.276,39.96 23.615,40.621 23.615,40.815 24.29,41.49 24.29,114.882 27.018,117.61 57.465,117.61 61.025,114.05 61.05,114.05 73.439,101.661 73.439,97.484 73.101,97.146 73.101,92.761 75.883,89.979 78.884,89.979 78.93,90.025 80.108,90.025 v1(80.694,89.439)
ENET_HPS_RXD0: R310.2 U1.E20 U11.32 | length 166.6
  1_Top w0.15: v1(81.694,92.439) U1.E20@82.194,91.939
  1_Top w0.17: v2@20.7,34.75 20.862,34.588 U11.32@20.862,33.775 ; v2(20.7,34.85) 20.8,34.95 R310.2@20.8,35.55
  5_int4_(sign) w0.1: v2@20.725,34.85 20.725,35.225 19.225,36.725 19.225,43.413 19.088,43.55 18.705,43.55 18.567,43.688 18.567,43.963 18.705,44.1 19.45,44.1 19.588,44.238 19.588,44.513 19.45,44.65 19.363,44.65 19.225,44.788 19.225,45.485 20.315,46.575 20.315,116.04 25.02,120.745 60.984,120.745 75.302,106.428 75.302,100.073 77.15,98.225 77.15,95.825 79.225,93.75 80.55,93.75 81.694,92.606 v1(81.694,92.439)
ENET_HPS_RXD1: R308.2 U1.F20 U11.31 | length 167.3
  1_Top w0.15: v1(81.694,91.439) U1.F20@82.194,90.939
  1_Top w0.17: U11.31@21.362,33.775 21.362,34.811 v2(21.4,34.85) 21.6,35.05 R308.2@21.6,35.55
  5_int4_(sign) w0.1: v2(21.4,34.85) 21.4,35.6 20.775,36.225 20.775,39.013 20.637,39.15 19.863,39.15 19.726,39.288 19.726,39.563 19.863,39.7 21.114,39.7 21.251,39.838 21.251,40.113 21.114,40.25 20.913,40.25 20.775,40.388 20.775,115.8 25.26,120.285 60.794,120.285 74.614,106.465 74.614,99.911 76.69,97.835 76.69,95.435 77.175,94.95 77.175,93.825 78,93 80.649,93 81.025,92.624 81.025,92.334 80.983,92.293 80.983,92.15 v1(81.694,91.439)
ENET_HPS_RXD2: R306.2 U1.F19 U11.28 | length 170.2
  1_Top w0.17: U11.28@22.862,33.775 22.862,34.811 v2(22.9,34.85) R306.2@22.9,35.55 ; v1(80.694,91.439) U1.F19@81.194,90.939
  5_int4_(sign) w0.1: v2(22.9,34.85) 22.9,36.198 23.14,36.438 23.14,36.713 23.002,36.85 21.653,36.85 21.515,36.988 21.515,37.263 21.653,37.4 23.002,37.4 23.14,37.538 23.14,37.813 23.002,37.95 21.653,37.95 21.515,38.088 21.515,38.363 21.653,38.5 22.763,38.5 22.9,38.638 22.9,39.45 21.235,41.115 21.235,43.738 21.372,43.875 21.893,43.875 22.031,44.013 22.031,44.288 21.893,44.425 21.372,44.425 21.235,44.563 21.235,115.41 25.65,119.825 60.603,119.825 73.95,106.478 73.95,99.725 76.1,97.575 76.1,93.325 77.525,91.9 80.225,91.9 80.576,91.549 v1@80.675,91.549
ENET_HPS_RXD3: R303.2 U1.F22 U11.27 | length 170.2
  1_Top w0.17: U11.27@23.362,33.775 23.362,34.412 23.6,34.65 v2(23.6,34.85) 23.7,34.95 R303.2@23.7,35.55 ; v1(83.694,90.439) U1.F22@84.194,90.939
  5_int4_(sign) w0.1: v2(23.6,34.85) 23.6,40.038 23.462,40.175 22.89,40.175 22.753,40.313 22.753,40.588 22.89,40.725 23.462,40.725 23.6,40.863 23.6,41.138 23.462,41.275 22.417,41.275 22.28,41.413 22.28,41.688 22.417,41.825 23.462,41.825 23.6,41.963 23.6,42.238 23.462,42.375 22.417,42.375 22.28,42.513 22.28,42.788 22.417,42.925 23.697,42.925 23.834,43.063 23.834,43.338 23.6,43.572 23.6,44.325 24.2,44.925 24.2,46.149 23.88,46.469 23.88,114.756 28.469,119.345 31.02,119.345 ; 31.025,119.35 31.02,119.345 ; v1(83.694,90.439) 83.158,90.975 76.351,90.975 75.15,92.176 75.15,95.553 73.49,97.213 73.49,106.288 60.433,119.345 31.02,119.345